# Allegro board 038RT-9068CJK8E-A100_0921.brd (continued)
## Routing (per net, layer and track width the routed paths; a pad name or vN(x,y) marks a point on that pad's centre or on a via; arc(x,y) is an arc through that point) (continued)
SG1_P4_HSO+: length 46.2
  TOP w0.105: GOLD1.W13 590.71,203.73 arc(590.62,203.67) 590.52,203.65 589.94,203.65 arc(589.73,203.61) 589.54,203.49 588.24,202.18 arc(588.11,202) 588.07,201.78 588.07,190.22 arc(588.06,190.18) 588.04,190.14 580.42,182.52 arc(580.38,182.5) 580.34,182.49 563.57,182.49 arc(563.53,182.5) 563.49,182.52 561.96,184.05 arc(561.87,184.11) 561.77,184.13 561.66,184.13 arc(561.63,184.13) 561.61,184.14 arc(561.45,184.18) 561.31,184.28 v1(561.11,184.48)
SG1_P4_HSO-: length 46.2
  TOP w0.105: v1(561.11,183.32) 561.38,183.59 arc(561.46,183.65) 561.56,183.67 561.59,183.67 arc(561.68,183.65) 561.76,183.6 563.16,182.19 arc(563.35,182.07) 563.57,182.03 580.34,182.03 arc(580.56,182.07) 580.75,182.19 588.37,189.82 arc(588.49,190) 588.54,190.22 588.54,201.78 arc(588.54,201.82) 588.57,201.85 589.87,203.16 arc(589.9,203.18) 589.94,203.19 590.52,203.19 arc(590.62,203.17) 590.71,203.11 GOLD1.W14
SG1_P5_HSI+: length 33.8
  L03_SIGNAL w0.102: v4(591.6,203.02) 591.39,202.81 arc(591.18,202.67) 590.92,202.62 590.69,202.62 arc(590.58,202.6) 590.5,202.54 590.48,202.53 arc(590.39,202.47) 590.29,202.45 589.93,202.45 arc(589.69,202.4) 589.49,202.26
  L03_SIGNAL w0.136: v1(561.11,196.01) 561.29,195.82 arc(561.48,195.69) 561.7,195.65 562.33,195.65 arc(562.41,195.67) 562.49,195.72 564.9,198.12 arc(565.12,198.27) 565.38,198.32 572.23,198.32 arc(572.32,198.34) 572.39,198.39 572.66,198.66 arc(572.88,198.81) 573.14,198.86 578.94,198.86 arc(579.2,198.81) 579.42,198.66 579.62,198.47 arc(579.69,198.42) 579.78,198.4 585.53,198.4 arc(585.62,198.42) 585.69,198.47 589.49,202.26
SG1_P5_HSI-: length 33.8
  L03_SIGNAL w0.102: 590.38,201.99 590.4,201.99 590.5,201.9 arc(590.58,201.84) 590.69,201.82 590.92,201.82 arc(591.18,201.87) 591.39,202.01 v4(591.6,202.22)
  L03_SIGNAL w0.136: v1(561.11,194.84) 561.34,195.07 arc(561.48,195.17) 561.64,195.2 562.33,195.2 arc(562.59,195.25) 562.81,195.4 565.22,197.81 arc(565.29,197.85) 565.38,197.87 572.23,197.87 arc(572.49,197.92) 572.71,198.07 572.98,198.34 arc(573.06,198.39) 573.14,198.41 578.94,198.41 arc(579.03,198.39) 579.1,198.34 579.3,198.15 arc(579.52,198) 579.78,197.95 585.53,197.95 arc(585.79,198) 586.01,198.15 589.68,201.82 arc(589.88,201.95) 590.1,201.99 590.38,201.99
SG1_P5_HSO+: length 37.5
  BOTTOM w0.105: UNK1CS72.2 561.36,193.24 arc(561.47,193.17) 561.59,193.15 561.68,193.15 arc(561.74,193.16) 561.78,193.19 563.72,195.13 arc(563.9,195.25) 564.12,195.3 571.36,195.3 arc(571.4,195.3) 571.44,195.33 572.55,196.43 arc(572.57,196.47) 572.58,196.51 572.58,201.76 arc(572.62,201.98) 572.74,202.17 573.37,202.8 arc(573.56,202.92) 573.78,202.97 585.8,202.97 arc(586.02,202.92) 586.21,202.8 586.92,202.08 arc(586.96,202.06) 587,202.05 590.52,202.05 arc(590.62,202.07) 590.71,202.13 v1(590.8,202.22)
SG1_P5_HSO-: length 37.5
  BOTTOM w0.105: UNK1CS71.2 561.3,192.53 arc(561.47,192.64) 561.67,192.68 561.81,192.68 arc(561.92,192.71) 562.02,192.77 564.05,194.8 arc(564.08,194.82) 564.12,194.83 571.36,194.83 arc(571.58,194.87) 571.77,195 572.87,196.1 arc(573,196.29) 573.04,196.51 573.04,201.76 arc(573.05,201.81) 573.07,201.84 573.7,202.47 arc(573.74,202.49) 573.78,202.5 585.8,202.5 arc(585.84,202.49) 585.88,202.47 586.59,201.75 arc(586.78,201.63) 587,201.59 590.52,201.59 arc(590.62,201.57) 590.71,201.51 v1(590.8,201.42)
SG1_P5_LDOOUT: length 29.2
  L05_SIGNAL w0.102: 590.38,204.22 596.8,204.22 v1(597.2,204.62)
  L05_SIGNAL w0.105: 590.38,204.22 588.62,204.22 588.01,203.6 571.91,203.6 v2(569.45,206.07)
  vias: v1(598,204.62)
SG1_P5_LED: length 25.8
  L05_SIGNAL w0.102: 596.8,198.6 596.8,201.82 v1(597.2,202.22)
  L05_SIGNAL w0.105: 596.8,198.6 596.8,194.88 596.51,194.6 596.51,184.02 595.75,183.26 595.75,177.55 v2(596.12,177.18)
SG1_P5_MDI+: length 6.9
  BOTTOM w0.105: UNK1T21.3 608.61,213.89 608.02,213.89 607.76,213.62 607.76,211.25 606.9,210.39 605.36,210.39 v1(605.2,210.22)
SG1_P5_MDI-: length 6.9
  BOTTOM w0.105: v1(605.2,211.02) 605.36,210.85 606.7,210.85 607.29,211.44 607.29,213.82 607.83,214.35 608.61,214.35 UNK1T21.4
SG1_P5_RXC: length 87
  L07_SIGNAL w0.105: v2(569.45,180.67) 568.94,180.67 567.55,179.28 562.3,179.28 562,178.98 562,178.04 562.32,177.72 599.47,177.72 601.56,179.8 601.56,182.88 602.73,184.05 605.34,184.05 v1(606.65,182.74)
  L09_SIGNAL w0.102: v1(600.4,199.02) 600.4,198.97 600.05,198.62 600.05,198.6
  L09_SIGNAL w0.105: v1(606.65,182.74) 605.12,181.2 598.26,181.2 597.85,181.61 597.85,187.66 600.05,189.86 600.05,198.6
  BOTTOM w0.115: v1(606.65,182.74) UNK1RR904.2
SG1_P5_RXD0: length 96.7
  L07_SIGNAL w0.105: v1(602.59,182.74) 603.27,183.42 604.86,183.42 605.7,182.58 605.7,177.47 604.16,175.92 552.36,175.92 551.32,176.97 551.32,179.7 552.29,180.67 v2(563.74,180.67)
  L09_SIGNAL w0.102: 602.8,198.6 v1(602.8,199.02)
  L09_SIGNAL w0.105: v1(602.59,182.74) 602.59,188.48 602.33,188.75 602.33,195.49 603,196.16 603,198.4 602.8,198.6
  BOTTOM w0.115: v1(602.59,182.74) UNK1RR900.2
SG1_P5_RXD1: length 99.8
  L07_SIGNAL w0.105: v2(569.45,196.54) 568.46,195.55 566.13,195.55 564.32,193.74 564.32,190.01 565.88,188.45 567.01,188.45 568.23,187.23 568.23,186.36 570.54,184.05 570.54,182.75 570.17,182.39 565,182.39 564.57,182.82 564.57,184.85 563.97,185.46 563.13,185.46 562.61,184.94 562.61,181.67 562.9,181.39 570.45,181.39 570.8,181.05 570.8,179.92 570.34,179.46 569.17,179.46 568.95,179.24 568.95,178.49 569.17,178.27 598.03,178.27 599.9,180.15 599.9,182.08 v1(600.56,182.74)
  L09_SIGNAL w0.102: 602.4,198.6 602.4,199.42 v1(602,199.82)
  L09_SIGNAL w0.105: v1(600.56,182.74) 601.74,183.92 601.74,196.77 602.4,197.42 602.4,198.6
  BOTTOM w0.115: v1(600.56,182.74) UNK1RR901.2
SG1_P5_RXD2: length 116.2
  L09_SIGNAL w0.102: 599.15,198.6 599.2,198.65 599.2,199.98 599.43,200.21 601.46,200.21 601.6,200.06 601.6,199.41 v1(602,199.02)
  L09_SIGNAL w0.105: 599.15,198.6 599.02,198.47 599.02,197.18 596.43,194.59 596.43,184.73 597.17,183.99 597.17,181.67 596.68,181.18 585.86,181.18 v1(584.3,182.74) 583.17,181.6 583.17,180.24 583.84,179.56 604.4,179.56 604.73,179.24 604.73,178.41 604.47,178.16 559.92,178.16 559.48,178.6 559.48,179.49 559.95,179.96 564.94,179.96 v2(565.64,180.67)
  BOTTOM w0.115: v1(584.3,182.74) UNK1RR902.2
SG1_P5_RXD3: length 102.4
  L07_SIGNAL w0.105: v2(565.64,193.37) 566.28,192.73 566.28,189.98 568.78,187.48 568.78,186.62 569.57,185.84 571.27,185.84 573.01,184.1 573.01,183.38 572.79,183.15 571.57,183.15 571.38,182.96 571.38,182.64 571.65,182.37 574.24,182.37 574.43,182.18 574.43,181.73 574.26,181.57 571.85,181.57 571.69,181.4 571.69,180.89 571.94,180.63 576.24,180.63 576.44,180.44 576.44,179.92 576.22,179.7 571.83,179.7 571.68,179.55 571.68,179.12 571.97,178.83 597.54,178.83 599.18,180.47 599.18,182.52 601.3,184.64 601.3,190.35 600.66,191 599.07,191 598.51,190.44 598.51,182.75 v1(598.53,182.74)
  L09_SIGNAL w0.102: 600.63,198.6 600.63,198.67 600.8,198.84 600.8,199.43 v1(601.2,199.82)
  L09_SIGNAL w0.105: 600.63,198.6 600.63,185.11 598.57,183.04 598.57,182.78 v1(598.53,182.74)
  BOTTOM w0.115: v1(598.53,182.74) UNK1RR903.2
SG1_P5_RXDV: length 92.1
  L07_SIGNAL w0.105: v1(604.62,182.74) 603.72,181.84 603.72,178.24 601.96,176.48 555.82,176.48 555.14,177.16 555.14,179.21 555.8,179.87 566.76,179.87 v2(567.55,180.67)
  L09_SIGNAL w0.102: 601.33,198.6 601.33,198.89 v1(601.2,199.02)
  L09_SIGNAL w0.105: v1(604.62,182.74) 604.09,182.21 600.15,182.21 599.71,182.65 599.71,183.33 601.19,184.82 601.19,197.09 601.33,197.23 601.33,198.6
  BOTTOM w0.115: v1(604.62,182.74) UNK1RR905.2
SG1_P5_TXC: length 261.4
  L07_SIGNAL w0.102: v1(598.8,199.82) 598.4,200.21 598.4,201.64 598.22,201.83 590.4,201.83 590.38,201.8
  L07_SIGNAL w0.105: 590.38,201.8 588,201.8 587.35,202.45 573.81,202.45 572.86,201.49 566.12,201.49 565.66,201.49 562.39,198.23 562.39,189.19 567.55,184.04 v2(567.55,183.84)
  L15_SIGNAL w0.105: v1(437.24,226.73) 438.23,227.72 465.22,227.72 474.26,236.76 505.97,236.76 506.31,236.42 506.31,234.86 505.97,234.51 497.94,234.51 496.36,232.93 496.36,222.17 497.54,220.99 508.58,220.99 511.62,217.95 523.05,217.95 525.71,220.6 541.18,220.6 542.87,222.29 559.03,222.29 563.92,217.41 563.92,209.52 564.73,208.71 564.73,192.66 566.81,190.59 566.81,184.58 v2(567.55,183.84)
  BOTTOM w0.115: v1(437.24,226.73) UNK1RR924.2
SG1_P5_TXD0: length 75.7
  L09_SIGNAL w0.102: v1(598,199.82) 598.4,199.42 598.4,198.7
  L09_SIGNAL w0.105: 598.4,198.7 598.4,197.76 597.05,196.41 586.79,196.41 586.16,195.78 585.14,195.78 584.04,194.68 579.77,194.68 578.82,193.73 574.76,193.73 570.57,189.54 566.15,189.54 563.03,186.42 563.03,185.4 561.46,183.83 533.54,183.83 SG1_P5_TXD0.1
SG1_P5_TXD1: length 151
  L09_SIGNAL w0.105: v1(598,199.02) 597.6,198.62 597.6,197.97 596.71,197.08 586.17,197.08 585.51,196.43 584.45,196.43 584.41,196.4 584.07,196.4 584.03,196.43 580.45,196.43 578.32,194.3 574.46,194.3 570.98,190.81 563.32,190.81 561.07,188.57 561.07,188.26 561.07,187.8 558.39,185.13 548.27,185.13 547.76,184.62 543.05,184.62 542.41,185.25 542.41,193.01 541.8,193.63 535.95,193.63 535.53,193.2 535.53,187.01 535.22,186.7 516.66,186.7 515.98,187.38 515.98,204.13 516.78,204.94 519.25,204.94 519.94,204.25 519.94,191.82 521.88,189.88 530.69,189.88 SG1_P5_TXD1.1
SG1_P5_TXD2: length 170.3
  L09_SIGNAL w0.102: v1(597.2,199.82) 596.8,199.42 596.8,198.7 596.69,198.6
  L09_SIGNAL w0.105: 596.69,198.6 595.76,197.66 584.98,197.66 584.8,197.85 580.55,197.85 578.69,195.99 578.69,195.55 578,194.86 574.23,194.86 570.82,191.44 563.16,191.44 560.51,188.8 560.51,188.03 558.95,186.47 548.7,186.47 544.67,190.5 544.67,192.25 540.79,196.13 527.21,196.13 525.23,198.11 525.23,205.42 521.23,209.42 521.23,212.54 519.07,214.69 501.19,214.69 500.62,214.12 500.62,212.47 501.44,211.65 514.86,211.65 521.13,205.38 521.13,194.66 522.57,193.22 530.5,193.22 SG1_P5_TXD2.1
SG1_P5_TXD3: length 266.7
  L07_SIGNAL w0.102: 590.38,201.03 596.94,201.03 597.6,200.36 597.6,199.43 v1(597.2,199.02)
  L07_SIGNAL w0.105: v2(569.45,183.84) 566.61,186.68 566.61,187.18 566.08,187.71 564.84,187.71 562.97,189.57 562.97,198.03 565.89,200.94 573.16,200.94 574.12,201.89 586.37,201.89 587.24,201.03 590.38,201.03
  L15_SIGNAL w0.105: v2(569.45,183.84) 569.45,185.91 568.67,186.69 568.67,191.12 566.52,193.27 566.52,209.84 565.19,211.17 565.19,217.45 559.38,223.26 542.76,223.26 540.95,221.45 524.4,221.45 523.82,220.87 509.99,220.87 509.07,221.79 509.07,232.9 509.7,233.53 521.05,233.53 521.72,234.2 521.72,236.54 520.56,237.71 471.16,237.71 462.22,228.77 v1(437.24,228.77)
  BOTTOM w0.115: v1(437.24,228.77) UNK1RR923.2
SG1_P5_TXEN: length 269.3
  L07_SIGNAL w0.102: 590.38,202.61 599.01,202.61 599.2,202.42 599.2,199.43 599.1,199.32 v1(598.8,199.02)
  L07_SIGNAL w0.105: v2(565.64,183.84) 565.64,185.01 560.4,190.26 560.4,197.06 565.41,202.08 572.39,202.08 573.45,203.14 588.53,203.14 589.06,202.61 590.38,202.61
  L15_SIGNAL w0.105: v1(441.05,222.67) 441.05,221.64 440.47,221.07 440.47,218.37 440.96,217.88 461.58,217.88 477.21,202.25 519.79,202.25 520.42,201.63 520.42,200.52 519.79,199.9 493.39,199.9 493.06,199.57 493.06,198.88 493.37,198.57 526.88,198.57 528.13,199.83 542.76,199.83 544.69,197.89 544.69,188.75 552.57,180.87 562.67,180.87 v2(565.64,183.84)
  BOTTOM w0.115: v1(441.05,222.67) UNK1RR925.2
SG1_P5_VDDIO:
  vias: v1(599.1,193.23) v1(599.1,192.6) v1(599.6,199.82) v1(599.6,199.02) v1(602.8,199.82)
SG1_P6_CLKREQB: length 27
  L09_SIGNAL w0.105: v1(592.4,213.42) 591.91,213.91 583.05,213.91 582.01,212.87 571.95,212.87 568.32,209.24 v2(567.55,209.24)
SG1_P6_HSI+: length 33.9
  BOTTOM w0.14: UNK1CS107.2 559.83,209.19 arc(560.03,209.32) 560.27,209.37 560.99,209.37 arc(561.26,209.43) 561.48,209.58 562.5,210.6 arc(562.6,210.66) 562.72,210.69 569.75,210.69 arc(570.01,210.74) 570.24,210.89 571.93,212.58 arc(572.03,212.65) 572.15,212.67 586.85,212.67 arc(586.97,212.65) 587.07,212.58 589.82,209.83 arc(590.04,209.68) 590.31,209.63 590.46,209.63 arc(590.58,209.6) 590.68,209.53
  BOTTOM w0.15: v1(590.8,209.42) 590.68,209.53
SG1_P6_HSI-: length 33.9
  BOTTOM w0.14: UNK1CS108.2 559.83,209.95 arc(560.03,209.81) 560.27,209.76 560.99,209.76 arc(561.11,209.79) 561.21,209.85 562.23,210.87 arc(562.45,211.02) 562.72,211.08 569.75,211.08 arc(569.86,211.1) 569.97,211.17 571.65,212.85 arc(571.88,213.01) 572.15,213.06 586.85,213.06 arc(587.12,213.01) 587.34,212.85 590.09,210.11 arc(590.19,210.04) 590.31,210.02 590.59,210.02
  BOTTOM w0.15: 590.59,210.02 v1(590.8,210.22)
SG1_P6_HSO+: length 24.6
  TOP w0.14: UNK1CS102.2 568.28,216.12 arc(568.48,215.99) 568.72,215.94 569.7,215.94 arc(569.96,215.89) 570.19,215.73 572.7,213.23 arc(572.8,213.16) 572.92,213.14 588.04,213.14 arc(588.31,213.08) 588.54,212.93 589.76,211.71 arc(589.86,211.64) 589.98,211.62 590.47,211.62 arc(590.58,211.64) 590.68,211.7 GOLD1.W3
SG1_P6_HSO-: length 24.6
  TOP w0.14: UNK1CS101.2 568.28,215.36 arc(568.48,215.5) 568.72,215.55 569.7,215.55 arc(569.81,215.52) 569.91,215.46 572.42,212.95 arc(572.65,212.8) 572.92,212.75 588.04,212.75 arc(588.16,212.72) 588.26,212.65 589.49,211.43 arc(589.71,211.28) 589.98,211.23 590.46,211.23 arc(590.46,211.23) 590.46,211.23 arc(590.58,211.2) 590.68,211.13 590.68,211.13
  TOP w0.15: GOLD1.W4 590.68,211.13
SG1_P6_ISOLATEB: length 43.7
  L05_SIGNAL w0.102: 592,213.17 592,213.84
  L05_SIGNAL w0.105: v2(559.29,231.92) 561.43,229.78 579.64,229.78 590.6,218.82 590.6,215.61 592,214.21 592,213.84 ; v1(592.4,212.62) 592,213.02 592,213.17
SG1_P6_LANWAKEB: length 25.1
  L09_SIGNAL w0.102: 590.38,212.22 592.8,212.22 v1(593.2,212.62)
  L09_SIGNAL w0.105: 590.38,212.22 572.43,212.22 v2(569.45,209.24)
SG1_P6_LED: length 26.5
  L05_SIGNAL w0.102: v1(596.4,202.22) 596,201.82 596,198.6
  L05_SIGNAL w0.105: v2(594.22,177.18) 593.58,177.81 593.58,183.68 594.26,184.36 594.26,186.81 595.71,188.26 595.71,194.93 596,195.21 596,198.6
SG1_P6_MDI+: length 5.7
  L46_SIGNAL w0.102: 605.62,209.99 605.59,209.99 605.42,209.82 604.8,209.82 v1(604.4,209.42)
  L46_SIGNAL w0.136: 605.62,209.99 606.1,209.99 606.96,209.14 609,209.14 609.14,209.01 v1(609.14,208.67)
SG1_P6_MDI-: length 5.7
  L46_SIGNAL w0.102: v1(604.4,210.22) 604.8,210.62 605.42,210.62 605.59,210.45 605.62,210.45
  L46_SIGNAL w0.136: v1(609.14,210.07) 609.14,209.73 609,209.59 607.14,209.59 606.29,210.45 605.62,210.45
SG1_P6_PCIE_RESETB: length 26.9
  L03_SIGNAL w0.145: v2(577.07,234.33) 577.64,233.76 577.64,231.72 588.12,221.24 588.12,218.49 591.6,215.01 v1(591.6,213.42)
SG1_P6_REFCLK+: length 32.1
  L05_SIGNAL w0.1: v2(567.55,225.12) 566.88,225.12 566.78,225.02 566.78,224.09 567.04,223.82 567.45,223.82 567.57,223.94 567.57,224.14 567.69,224.26 567.86,224.26 567.97,224.14 567.97,223.94 568.09,223.82 572.22,223.82 578.07,217.97 581.66,217.97 583.88,215.76 586.2,215.76 589.16,212.8 590.14,212.8
  L05_SIGNAL w0.102: 590.14,212.8 590.14,212.8 590.28,212.8 590.5,213.02 591.2,213.02 v1(591.6,212.62)
SG1_P6_REFCLK-: length 32.1
  L05_SIGNAL w0.1: v2(565.64,225.12) 566.31,225.12 566.41,225.02 566.41,223.94 566.89,223.46 572.07,223.46 577.91,217.61 581.51,217.61 583.73,215.4 586.05,215.4 589.01,212.44 590.14,212.44
  L05_SIGNAL w0.102: 590.14,212.44 590.28,212.44 590.5,212.22 591.2,212.22 v1(591.6,211.82)
SG1_P7_CLKREQB: length 31.4
  L09_SIGNAL w0.102: v1(594,210.22) 593.6,209.82 590.54,209.82 590.54,209.82 590.38,209.82
  L09_SIGNAL w0.105: 590.38,209.82 586.35,209.82 584.65,208.12 573.91,208.12 569.66,203.87 566.62,203.87 v2(565.64,202.89)
SG1_P7_HSI+: length 32.7
  BOTTOM w0.14: 590.6,205.61 588.58,205.61 arc(588.31,205.67) 588.09,205.82 586.26,207.65 arc(586.16,207.72) 586.04,207.74 564.02,207.74 arc(563.9,207.72) 563.8,207.65 562.86,206.71 arc(562.63,206.56) 562.37,206.51 560.27,206.51 arc(560.03,206.46) 559.83,206.32 UNK1CS117.2
  BOTTOM w0.15: v1(590.8,205.42) 590.6,205.61
SG1_P7_HSI-: length 32.7
  BOTTOM w0.14: 590.59,206.02 590.59,206.01 590.44,206.01 590.43,206 588.58,206 arc(588.46,206.03) 588.36,206.1 586.53,207.93 arc(586.3,208.08) 586.04,208.13 564.02,208.13 arc(563.75,208.08) 563.52,207.93 562.59,206.99 arc(562.48,206.92) 562.37,206.9 560.27,206.9 arc(560.03,206.95) 559.83,207.08 UNK1CS118.2
  BOTTOM w0.15: 590.59,206.02 v1(590.8,206.22)
SG1_P7_HSO+: length 26.2
  TOP w0.14: UNK1CS112.2 568.28,213.62 arc(568.48,213.48) 568.72,213.43 568.9,213.43 arc(569.17,213.38) 569.4,213.23 571.11,211.51 arc(571.26,211.28) 571.32,211.02 571.32,209.81 arc(571.34,209.69) 571.41,209.59 572.62,208.38 arc(572.72,208.31) 572.84,208.29 588.44,208.29 arc(588.71,208.24) 588.94,208.08 589.32,207.71 arc(589.42,207.64) 589.54,207.62 590.46,207.62 arc(590.58,207.64) 590.68,207.71
  TOP w0.15: 590.68,207.71 GOLD1.W8
SG1_P7_HSO-: length 26.2
  TOP w0.14: GOLD1.W9 590.69,207.12 arc(590.58,207.2) 590.45,207.23 589.54,207.23 arc(589.27,207.28) 589.04,207.43 588.66,207.81 arc(588.56,207.88) 588.44,207.9 572.84,207.9 arc(572.57,207.95) 572.34,208.1 571.13,209.32 arc(570.98,209.54) 570.93,209.81 570.93,211.02 arc(570.9,211.14) 570.83,211.24 569.12,212.95 arc(569.02,213.02) 568.9,213.04 568.72,213.04 arc(568.48,212.99) 568.28,212.86 UNK1CS111.2
SG1_P7_ISOLATEB: length 45.1
  L05_SIGNAL w0.102: 592.8,213.84 592.8,211.42 v1(593.2,211.02)
  L05_SIGNAL w0.105: 592.8,213.84 592.8,214.55 591.58,215.77 591.58,219.14 580.36,230.35 562.13,230.35 v2(560.56,231.92)
SG1_P7_LANWAKEB: length 30.7
  L09_SIGNAL w0.102: 590.38,211.42 590.54,211.42 590.54,211.42 593.6,211.42 v1(594,211.02)
  L09_SIGNAL w0.105: v2(565.64,206.07) 566.71,207.13 569.88,207.13 573.01,210.26 584.29,210.26 585.45,211.42 590.38,211.42
SG1_P7_PCIE_RESETB: length 31.2
  L05_SIGNAL w0.102: v1(593.2,210.22) 593.6,210.62 593.6,213.84
  L05_SIGNAL w0.105: v2(577.07,232.92) 577.77,232.23 577.77,231.49 578.1,231.15 580.61,231.15 592.2,219.56 592.2,216.72 593.6,215.33 593.6,213.84
SG1_P7_REFCLK+: length 32.4
  L05_SIGNAL w0.1: v2(567.55,221.94) 566.88,221.94 566.78,221.84 566.78,220.45 567.24,219.99 567.41,219.99 567.55,220.13 567.72,220.13 567.84,220.01 567.84,219.85 567.69,219.7 567.69,219.54 568.41,218.82 573.38,218.82 579.56,212.64 584.37,212.64 587.41,209.6 589.98,209.6 590.11,209.6 590.11,209.6 590.14,209.6
  L05_SIGNAL w0.102: v1(591.6,209.42) 591.2,209.82 590.5,209.82 590.28,209.6 590.14,209.6
SG1_P7_REFCLK-: length 32.4
  L05_SIGNAL w0.1: v2(565.64,221.94) 566.31,221.94 566.41,221.84 566.41,220.3 568.26,218.46 573.23,218.46 579.41,212.27 584.22,212.27 587.26,209.24 590.14,209.24
  L05_SIGNAL w0.102: v1(591.6,208.62) 591.2,209.02 590.5,209.02 590.28,209.24 590.14,209.24
SG1_PGATE: length 23.7
  L05_SIGNAL w0.102: 599.2,213.84 599.2,210.62 v1(599.6,210.22)
  L05_SIGNAL w0.105: 599.2,213.84 599.2,216.68 598.71,217.17 598.71,227.83 594.85,231.69 v2(594.85,231.92)
SG1_PH_GPIOA_1: length 93.4
  L11_SIGNAL w0.105: v2(561.83,235.33) 562.48,234.68 562.48,230.98 563.16,230.3 630.36,230.3 634.17,226.49 634.17,222.63 SG1_GPIOA1_2.1
  BOTTOM w0.115: UNK1RD180.2 561.22,229.27 561.22,235.15 561.4,235.33 v2(561.83,235.33)
SG1_PH_GPIOA_2: length 84.7
  L11_SIGNAL w0.105: SG1_GPIOA1_2.3 630.85,231.02 564.24,231.02 563.71,231.56 563.71,232.32 v2(563.1,232.92)
  BOTTOM w0.115: v2(563.1,232.92) 562.6,232.92 562.47,232.79 562.47,228.99 UNK1RD181.2
SG1_RESETB: length 28.5
  L03_SIGNAL w0.145: v2(578.34,234.33) 579.02,233.65 579.02,231.48 588.8,221.7 588.8,219.11 593.2,214.71 v1(593.2,213.42)
  BOTTOM w0.115: UNK1R584.1 v2(578.34,234.33)
SG1_RSET: length 1.3
  BOTTOM w0.115: UNK1R69.1 v1(605.2,206.22)
SG1_RTT: length 25.5
  L05_SIGNAL w0.102: 605.62,205.02 603.2,205.02 v1(602.8,205.42)
  L05_SIGNAL w0.105: v1(621.84,192.73) 621.84,194.85 621.08,195.61 617.9,195.61 608.49,205.02 605.62,205.02
SG1_SPI_CSB: length 36.1
  L03_SIGNAL w0.102: v1(597.2,201.42) 597.6,201.02 597.6,198.7
  L03_SIGNAL w0.145: v1(626.58,191.66) 623.42,194.82 619.69,194.82 616.38,198.13 606.26,198.13 605.66,197.53 601.43,197.53 600.8,196.89 598.87,196.89 597.6,198.16 597.6,198.7
SG1_SPI_SCK: length 41.5
  L03_SIGNAL w0.102: 595.2,198.7 595.2,201.02 v1(594.8,201.42)
  L03_SIGNAL w0.145: v1(626.58,185.95) 625.15,185.95 615.37,195.73 607.26,195.73 606.66,195.13 602.43,195.13 601.79,194.49 597.88,194.49 595.2,197.17 595.2,198.7
SG1_SPI_SI: length 43.4
  L03_SIGNAL w0.102: v1(594,201.42) 594.4,201.02 594.4,197.92
  L03_SIGNAL w0.145: 594.4,197.92 594.4,196.84 597.55,193.69 603.32,193.69 603.82,194.19 607.07,194.19 608,195.12 614.66,195.12 625.76,184.02 v1(626.58,184.02)
SG1_SPI_SO: length 38.4
  L03_SIGNAL w0.102: v1(596.4,201.42) 596.8,201.02 596.8,198.7
  L03_SIGNAL w0.145: 596.8,198.7 596.8,197.83 598.54,196.09 601.13,196.09 601.76,196.73 605.99,196.73 606.59,197.33 616.05,197.33 619.36,194.02 623.11,194.02 623.71,193.42 623.71,192.63 v1(626.58,189.76)
SG1_SRC_DVDD09:
  vias: v1(573.03,206.11) v1(573.16,209.38) v1(573.67,206.11) v1(573.79,209.38) v2(584.65,41.73) v2(587.19,41.73) v2(609.46,162.56) v2(610.09,155.57) v2(610.09,154.31) v2(610.09,139.06) v2(610.73,162.56) v2(610.73,132.72) v2(610.73,131.44) v2(611.36,155.57) v2(611.36,154.31) v2(611.36,139.06) v2(612,166.37) v2(612,162.56) v2(612,132.72) v2(612,131.44) v2(612.63,142.24) v2(612.63,139.06) v2(615.81,162.56) v2(615.81,139.06) v2(616.44,155.57) v2(616.44,154.31) v2(616.44,132.72) v2(616.44,131.44) v2(617.08,162.56) v2(617.08,139.06) v2(617.71,155.57) v2(617.71,154.31) v2(617.71,132.72) v2(617.71,131.44) v2(618.35,166.37) v2(618.35,162.56) v2(618.35,142.24) v2(618.35,139.06) v2(621.52,139.06) v2(622.16,162.56) v2(622.16,132.72) v2(622.16,131.44) v2(622.79,155.57) v2(622.79,154.31) v2(622.79,139.06) v2(623.43,162.56) v2(623.43,132.72) v2(623.43,131.44) v2(624.06,155.57) v2(624.06,154.31) v2(624.06,142.24) v2(624.06,139.06) v2(624.7,166.37) v2(624.7,162.56)
SG1_SRC_DVDD33:
  vias: v1(573.16,216.36) v1(573.79,216.36) v1(575.22,201.37) v1(575.22,197.34) v1(575.86,201.37) v1(575.86,197.34) v1(594.87,185.54) v1(594.87,184.9) v1(595.44,226.26) v1(595.44,225.62) v1(595.51,185.54) v1(595.51,184.9) v1(597.16,185.54) v1(597.16,184.9) v1(597.35,226.26) v1(597.35,225.62) v1(605.22,226.26) v1(605.22,225.62) v2(437.94,47.76) v2(441.07,47.76) v2(552.81,53.13) v2(558.66,162.56) v2(558.66,152.4) v2(559.93,162.56) v2(559.93,152.4) v2(561.2,162.56) v2(561.2,152.4) v2(562.97,53.13) v2(565.01,166.37) v2(565.01,162.56) v2(565.01,152.4) v2(565.64,235.33) v2(566.28,162.56) v2(566.28,152.4) v2(567.55,162.56) v2(567.55,156.21) v2(567.55,152.4) v2(569.45,235.33) v2(570.72,235.33) v2(571.36,162.56) v2(571.99,235.33) v2(571.99,155.57) v2(571.99,154.31) v2(572.63,162.56) v2(573.26,235.33) v2(573.26,155.57) v2(573.26,154.31) v2(573.9,162.56) v2(574.53,235.33) v2(575.8,235.33) v2(577.71,162.56) v2(578.34,235.33) v2(578.34,155.57) v2(578.34,154.31) v2(578.98,162.56) v2(579.61,235.33) v2(579.61,155.57) v2(579.61,154.31) v2(580.25,162.56) v2(580.88,235.33) v2(582.15,235.33) v2(583.42,235.33) v2(584.06,166.37) v2(584.06,162.56) v2(584.69,235.33) v2(584.69,155.57) v2(584.69,154.31) v2(585.33,162.56) v2(585.51,49.14) v2(585.96,235.33) v2(585.96,155.57) v2(585.96,154.31) v2(586.6,162.56) v2(586.78,49.14) v2(587.23,235.33) v2(588.05,49.14) v2(588.5,235.33) v2(589.21,47.5) v2(589.21,46.23) v2(589.77,235.33) v2(590.41,162.56) v2(591.04,235.33) v2(591.04,155.57) v2(591.04,154.31) v2(590.97,47.5) v2(590.97,46.23) v2(591.68,162.56) v2(592.31,235.33) v2(592.31,155.57) v2(592.31,154.31) v2(592.69,51.34) v2(592.69,49.11) v2(592.73,47.5) v2(592.73,46.23) v2(592.95,162.56) v2(596.76,166.37) v2(596.76,162.56) v2(597.39,155.57) v2(597.39,154.31) v2(598.03,162.56) v2(598.66,155.57) v2(598.66,154.31) v2(599.3,162.56) v2(603.11,166.37) v2(603.11,162.56) v2(603.74,155.57) v2(603.74,154.31) v2(604.38,162.56) v2(605.01,155.57) v2(605.01,154.31) v2(605.65,162.56)
SG1_TAPSL0: length 38
  L03_SIGNAL w0.102: 590.38,212.22 594.4,212.22 v1(594.8,212.62)
  L03_SIGNAL w0.145: 590.38,212.22 588.42,212.22 582.46,218.18 578.69,218.18 575.42,221.46 575.42,230.45 575.15,230.71 575.15,233.71 v2(574.53,234.33)
  BOTTOM w0.115: UNK1R281.1 v2(574.53,234.33)
SG1_TAPSL1: length 35.9
  L03_SIGNAL w0.102: 590.38,213.02 593.6,213.02 v1(594,212.62)
  L03_SIGNAL w0.145: 590.38,213.02 588.75,213.02 582.79,218.98 579.02,218.98 576.22,221.79 576.22,230.09 576.49,230.36 576.49,233.64 v2(575.8,234.33)
  BOTTOM w0.115: UNK1R282.1 v2(575.8,234.33)
SG1_TCT: length 9.9
  TOP w0.115: UNK1T13.15 v2(633.45,119.61) ; UNK1C324.1 v2(636.62,119.61) ; UNK1T13.10 v2(639.8,119.61)
  L03_SIGNAL w0.145: v2(639.8,119.61) v2(636.62,119.61) v2(633.45,119.61)
SG1_U1_FE_MDI+: length 114.1
  TOP w0.105: 639.56,121.29 639.56,120.5
  TOP w0.115: UNK1T13.11 638.53,119.46 639.56,120.5 ; v1(639.47,121.39) 639.56,121.29
  L07_SIGNAL w0.1: v1(639.47,121.39) 639.61,121.54 639.61,122.06 639.05,122.62 638.48,122.62 637.71,121.85 637.71,121.71 637.76,121.67 637.76,121.52 637.62,121.38 637.48,121.38 637.43,121.43 637.29,121.43 637.15,121.29 637.15,121.15 637.19,121.1 637.19,120.96 637.05,120.82 636.91,120.82 636.86,120.86 636.72,120.86 636.12,120.26 632.66,120.26 625.84,127.08 625.84,181.98 620.87,186.95 620.87,189.61 617.98,192.49 617.98,196.85 612.32,202.51 611.14,202.51 606,207.65 605.67,207.65 605.44,207.42 604.8,207.42 v1(604.4,207.82)